# KiCad board RP2040-Breadstick.kicad_pcb (continued)
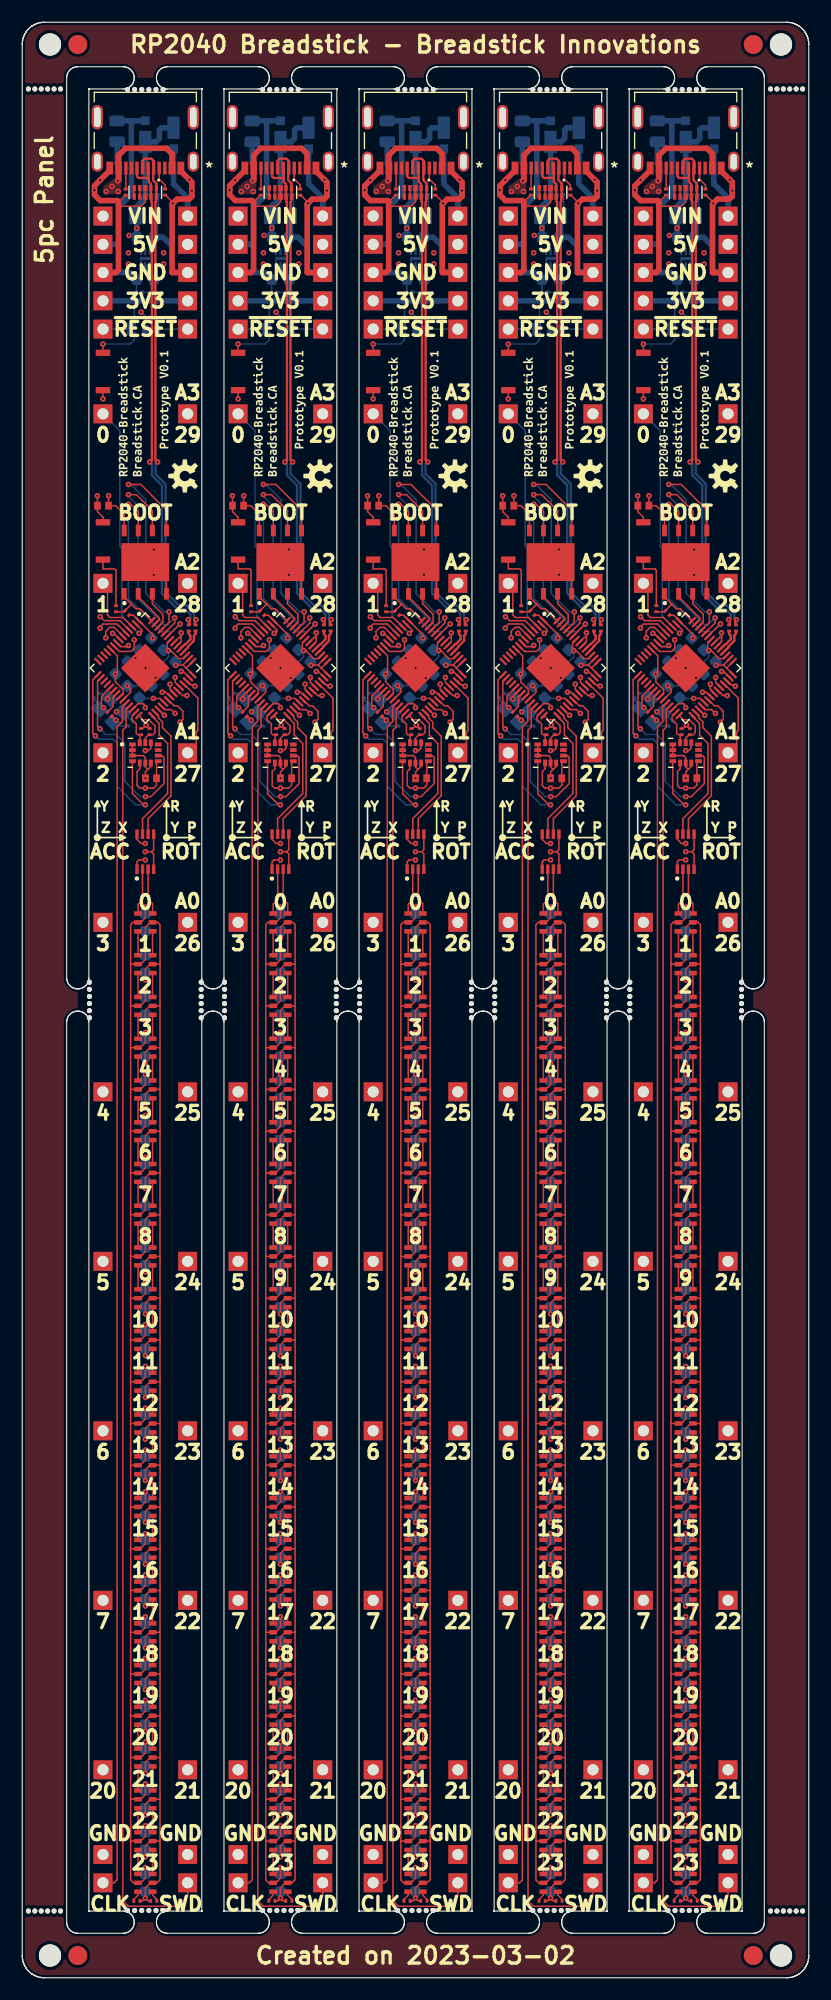
[diagram p0: board, top side]
## Routing (per net, layer and track width the routed paths; a pad name or vN(x,y) marks a point on that pad's centre or on a via; arc(x,y) is an arc through that point) (continued)
  L8_SIG.Cu w0.203: v1(27.81,122.12) 27.62,122.31 27.62,122.73 26.98,123.37 26.29,123.37 25.05,124.61 25.05,134.33 24.15,135.23 24.15,136.1 v1(24.34,136.29)
Board_1-/RP2040/~{RESET}: length 49.9
  L1_SIG.Cu w0.127: U201#5.26 22.59,114.56 23.06,114.56 23.24,114.38 v1(23.24,114.2)
  L3_SIG.Cu w0.127: 22.61,148.24 22.61,121.77 23.29,121.09 23.29,118.52 23.87,117.94 23.87,117.49 23.47,117.09 23.47,114.43 v1(23.24,114.2)
  L3_SIG.Cu w0.5: J201#3.1 J222#4.1
  L8_SIG.Cu w0.127: C207#2.1 J201#3.1 ; 21.69,148.22 21.67,148.24 J222#4.1 ; 21.69,148.22 R211#2.2 ; 21.69,148.22 R208#2.2
Board_1-GND: length 241.1
  L1_SIG.Cu w0.127: 23.8,101.25 23.99,101.44 IC301#3.5 ; 23.8,101.25 v1(23.24,101.25) ; 23.8,101.25 23.99,101.06 IC301#3.4 ; U202#2.3 U202#2.8 23.24,159.67 22.86,159.29 20.83,159.29 ; 24.56,12.3 24.55,12.29 LED323#4.2 23.69,12.29 23.24,11.84 v1(23.24,10.88) ; 24.56,12.3 24.56,8.82 24.28,8.54 LED324#4.2 23.69,8.54 23.24,8.08 v1(23.24,7.17) ; 24.56,12.3 24.56,16.06 ; v1(23.24,7.17) 22.99,6.91 R304.2 ; v1(23.24,7.17) 23.49,6.91 23.73,6.91 ; 24.56,38.61 24.56,34.8 ; 24.56,38.61 24.52,38.57 LED316.2 23.66,38.57 23.24,38.16 v1(23.24,37.19) ; 24.56,38.61 24.56,42.37 ; 24.56,34.8 24.56,31.1 ; 24.56,34.8 24.55,34.82 LED317#3.2 23.66,34.82 23.24,34.4 v1(23.24,33.43) ; 23.49,108.67 23.44,108.67 23.24,108.87 U401#5.6 23.24,109.71 23.06,109.89 U401#5.3 U401#5.2 U401#5.1 ; 23.49,108.67 23.25,108.42 v1(23.25,107.86) C401#2.2 ; 23.49,108.67 23.74,108.91 U401#5.7 ; 24.56,49.79 24.56,46.08 ; 24.56,49.79 24.56,53.6 ; 24.56,49.79 24.51,49.84 LED313.2 23.69,49.84 23.24,49.38 v1(23.24,48.42) ; 24.56,46.08 LED314#3.2 23.65,46.08 23.24,45.67 v1(23.24,44.71) ; 24.56,46.08 24.56,42.37 ; v1(25.72,159.55) 25.72,159.63 25.06,160.28 R207.2 ; 24.56,27.34 24.56,23.58 ; 24.56,27.34 24.56,31.1 ; 24.56,27.34 24.53,27.31 LED319#3.2 23.67,27.31 23.24,26.88 v1(23.24,25.91) ; 24.56,23.58 24.54,23.55 LED320#3.2 23.67,23.55 23.24,23.12 v1(23.24,22.15) ; 24.56,23.58 24.56,19.77 ; U203.4 25.14,127.29 v1(24,128.43) ; 24.56,16.06 24.55,16.04 LED322#5.2 23.68,16.04 23.24,15.6 v1(23.24,14.64) ; 24.56,16.06 24.56,19.77 ; v1(24,126.14) 24,126.52 U203.9 ; v1(23.24,89.72) 23.24,90.68 23.7,91.14 LED302#5.2 24.56,91.14 ; v1(23.24,78.49) 23.24,79.46 23.66,79.88 LED305#4.2 24.55,79.88 24.56,79.86 ; v1(23.24,59.7) 23.24,60.66 23.68,61.1 LED310#4.2 24.54,61.1 24.56,61.12 ; 24.56,53.6 24.55,53.59 LED312#2.2 23.69,53.59 23.24,53.14 v1(23.24,52.18) ; 24.56,53.6 24.56,57.36 ; 24.56,87.38 24.56,83.62 ; 24.56,87.38 24.56,91.14 ; 24.56,87.38 24.56,87.39 LED303#3.2 23.65,87.39 23.24,86.98 v1(23.24,86.01) ; 24.56,83.62 24.55,83.63 LED304#5.2 23.65,83.63 23.24,83.22 v1(23.24,82.25) ; 24.56,83.62 24.56,79.86 ; 24.56,91.14 24.56,94.7 24.36,94.9 LED301#5.2 23.69,94.9 23.24,94.44 v1(23.24,93.53) ; 24.56,76.1 24.54,76.12 LED306.2 23.66,76.12 23.24,75.7 v1(23.24,74.73) ; 24.56,76.1 24.56,79.86 ; 24.56,76.1 24.56,72.34 ; 24.56,64.83 24.56,61.12 ; 24.56,64.83 24.53,64.86 LED309#4.2 23.68,64.86 23.24,64.42 v1(23.24,63.45) ; 24.56,64.83 24.56,68.59 ; 24.56,61.12 24.56,57.36 ; 24.56,68.59 24.53,68.61 LED308#3.2 23.67,68.61 23.24,68.18 v1(23.24,67.21) ; 24.56,68.59 24.56,72.34 ; 24.56,19.77 24.53,19.8 LED321#4.2 23.68,19.8 23.24,19.36 v1(23.24,18.4) ; 24.56,31.1 24.53,31.06 LED318#3.2 23.67,31.06 23.24,30.64 v1(23.24,29.67) ; 24.56,42.37 24.52,42.33 LED315.2 23.65,42.33 23.24,41.92 v1(23.24,40.95) ; v1(19.48,114.2) 19.3,114.38 19.3,115.24 U201#5.19 ; v1(23.24,70.97) 23.24,71.94 23.67,72.37 LED307#4.2 24.54,72.37 24.56,72.34 ; 24.56,57.36 24.55,57.35 LED311#5.2 23.69,57.35 23.24,56.9 v1(23.24,55.94) ; R206#3.2 21.44,160.28 20.84,159.68 20.81,159.68 ; v1(18.92,133.25) 18.93,133.25 C216.2 18.93,131.82 19.43,131.32 SW201.1 ; SW202#3.1 v1(19.43,141.97)
  L1_SIG.Cu w0.5: J221#2.A1/B12 26.44,162.44 v1(27.2,161.68) 27.43,161.45 v1(27.43,160.69) 27.43,160.18 27.18,159.92 26.1,159.92 v1(25.72,159.55) 25.65,159.48 25.65,153.32 J506#3.1 ; J505#4.1 20.57,153.32 20.83,153.57 20.83,159.67 20.7,159.8 19.18,159.8 18.67,160.31 v1(18.67,160.74) 18.67,161.13 v1(19.17,161.63) 20.04,162.5 J221#2.B1/A12
  L3_SIG.Cu w0.5: J505#4.1 J506#3.1
  L8_SIG.Cu w0.127: v1(23.24,82.25) C306#4.2 ; v1(23.24,22.15) C322#3.2 ; v1(23.24,40.95) C317#4.2 ; U501#3.7 22.91,154.59 22.84,154.52 U501#3.3 ; v1(22.86,149.76) 23.25,149.38 C207#2.2 ; C309#2.2 23.24,71.58 v1(23.24,70.97) ; v1(23.24,86.01) C305#2.2 ; v1(23.24,18.4) C323#2.2 ; C201#2.2 18.65,114.88 19.13,114.41 ; v1(23.24,93.53) 23.24,94.13 ; C501.2 24.4,158.66 R501#4.1 ; v1(23.24,10.88) C325#3.2 ; v1(23.24,67.21) C310#3.2 ; v1(23.24,89.72) C304#5.2 ; v1(23.24,52.18) C314#4.2 ; v1(23.24,78.49) C307#3.2 ; C203#3.2 22.08,112.95 21.25,113.78 Y201.2 ; R502#4.1 22.46,152.68 C503#3.2 ; v1(23.24,74.73) 23.24,75.34 C308#3.2 ; v1(23.24,14.64) C324#3.2 ; v1(23.24,63.45) C311#4.2 ; v1(23.24,44.71) C316#4.2 ; v1(23.24,29.67) C320#5.2 ; v1(23.24,55.94) C313#5.2 ; v1(23.24,33.43) C319#2.2 ; v1(23.24,37.19) C318#4.2 ; v1(23.24,7.17) C326#4.2 ; v1(23.24,59.7) C312#4.2 ; v1(23.24,48.42) C315.2 ; v1(23.24,25.91) C321#5.2
  L8_SIG.Cu w0.203: C503#3.2 22.84,153.06 U501#3.3
  L8_SIG.Cu w0.5: C503#3.2 22.45,152.69 21.82,153.32 J505#4.1 ; C501.2 24.14,156.62 C502#5.2 24.84,156.5 25.65,155.68 25.65,153.62 25.96,153.32 J506#3.1
  vias: v1(20.64,113.83) v1(22.36,118.66) v1(23.25,117.77) v1(24.17,116.87)
Board_1-IMU_INT1: length 19.6
  L1_SIG.Cu w0.127: v1(23.24,105.47) 23.08,105.47 22.08,106.47 U401#5.4 ; v1(18.75,111.66) 18.51,111.9 18.51,116.71 U201#5.15
  L8_SIG.Cu w0.127: v1(18.75,111.66) 19.05,111.36 20.32,111.36 20.72,110.96 20.72,107.11 22.36,105.47 v1(23.24,105.47)
Board_1-IMU_INT2: length 18.5
  L1_SIG.Cu w0.127: U401#5.9 24.75,109.89 24.92,109.72 24.92,107.37 23.75,106.2 v1(23.25,106.2) ; U201#5.16 18.94,116.57 18.94,112.51 v1(19.15,112.3)
  L8_SIG.Cu w0.127: v1(23.25,106.2) 22.76,106.2 21.4,107.56 21.4,111.01 20.62,111.79 19.66,111.79 v1(19.15,112.3)
Board_1-IMU_SCL: length 3.9
  L1_SIG.Cu w0.127: U201#5.28 23.02,113.12 23.55,113.12 24.1,112.56 24.1,111.97 23.9,111.77 R210.1 23.55,111.77 23.24,111.46 U401#5.13
Board_1-IMU_SDA: length 3.4
  L1_SIG.Cu w0.127: U201#5.27 22.02,113.43 22.02,113.14 22.43,112.73 22.43,111.89 22.55,111.77 R209#2.1 22.75,111.66 22.75,111.06 U401#5.14
Board_1-LED_CLK: length 12.2
  L1_SIG.Cu w0.127: IC301#3.7 22.99,104.23 25.25,106.48 25.25,110.98 24.48,111.74 24.48,112.78 23.83,113.44 U201#5.29
Board_1-LED_DATA: length 12.4
  L1_SIG.Cu w0.127: IC301#3.6 23.49,104.22 25.55,106.28 25.55,111.64 24.79,112.4 24.79,112.91 24.43,113.26 24.43,113.45 U201#5.30
Board_1-Net-(C201-Pad1): length 2
  L1_SIG.Cu w0.127: U201#5.20 19.84,115.2 v1(19.84,114.99)
  L8_SIG.Cu w0.127: v1(19.84,114.99) 19.34,115.49 C201#2.1
Board_1-Net-(C203-Pad1): length 2.1
  L1_SIG.Cu w0.127: R201#3.1 20.55,113.08 v1(20.61,113.08)
  L8_SIG.Cu w0.127: C203#3.1 20.61,112.56 Y201.3
Board_1-Net-(J221-PadA5): length 2.1
  L1_SIG.Cu w0.127: R207.1 25.02,161.19 24.49,161.72 J221#2.A5
Board_1-Net-(J221-PadB5): length 1.9
  L1_SIG.Cu w0.127: J221#2.B5 21.49,160.86 R206#3.1
Board_1-Net-(LED301-Pad1): length 2.2
  L1_SIG.Cu w0.127: LED301#5.1 LED302#5.3
Board_1-Net-(LED301-Pad6): length 2.2
  L1_SIG.Cu w0.127: LED301#5.6 LED302#5.4
Board_1-Net-(LED302-Pad1): length 2.2
  L1_SIG.Cu w0.127: LED302#5.1 LED303#3.3
Board_1-Net-(LED302-Pad6): length 2.2
  L1_SIG.Cu w0.127: LED302#5.6 LED303#3.4
Board_1-Net-(LED303-Pad1): length 2.2
  L1_SIG.Cu w0.127: LED303#3.1 LED304#5.3
Board_1-Net-(LED303-Pad6): length 2.2
  L1_SIG.Cu w0.127: LED303#3.6 LED304#5.4
Board_1-Net-(LED304-Pad1): length 2.2
  L1_SIG.Cu w0.127: LED304#5.1 LED305#4.3
Board_1-Net-(LED304-Pad6): length 2.2
  L1_SIG.Cu w0.127: LED304#5.6 LED305#4.4
Board_1-Net-(LED305-Pad1): length 2.2
  L1_SIG.Cu w0.127: LED305#4.1 LED306.3
Board_1-Net-(LED305-Pad6): length 2.2
  L1_SIG.Cu w0.127: LED305#4.6 LED306.4
Board_1-Net-(LED306-Pad1): length 2.2
  L1_SIG.Cu w0.127: LED306.1 LED307#4.3
Board_1-Net-(LED306-Pad6): length 2.2
  L1_SIG.Cu w0.127: LED306.6 LED307#4.4
Board_1-Net-(LED307-Pad1): length 2.2
  L1_SIG.Cu w0.127: LED307#4.1 LED308#3.3
Board_1-Net-(LED307-Pad6): length 2.2
  L1_SIG.Cu w0.127: LED307#4.6 LED308#3.4
Board_1-Net-(LED308-Pad1): length 2.2
  L1_SIG.Cu w0.127: LED308#3.1 LED309#4.3
Board_1-Net-(LED308-Pad6): length 2.2
  L1_SIG.Cu w0.127: LED308#3.6 LED309#4.4
Board_1-Net-(LED309-Pad1): length 2.2
  L1_SIG.Cu w0.127: LED309#4.1 LED310#4.3
Board_1-Net-(LED309-Pad6): length 2.2
  L1_SIG.Cu w0.127: LED309#4.6 LED310#4.4
Board_1-Net-(LED310-Pad1): length 2.2
  L1_SIG.Cu w0.127: LED310#4.1 LED311#5.3
Board_1-Net-(LED310-Pad6): length 2.2
  L1_SIG.Cu w0.127: LED310#4.6 LED311#5.4
Board_1-Net-(LED311-Pad1): length 2.2
  L1_SIG.Cu w0.127: LED311#5.1 LED312#2.3
Board_1-Net-(LED311-Pad6): length 2.2
  L1_SIG.Cu w0.127: LED311#5.6 LED312#2.4
Board_1-Net-(LED312-Pad1): length 2.2
  L1_SIG.Cu w0.127: LED312#2.1 LED313.3
Board_1-Net-(LED312-Pad6): length 2.2
  L1_SIG.Cu w0.127: LED312#2.6 LED313.4
Board_1-Net-(LED313-Pad1): length 2.2
  L1_SIG.Cu w0.127: LED313.1 LED314#3.3
Board_1-Net-(LED313-Pad6): length 2.2
  L1_SIG.Cu w0.127: LED313.6 LED314#3.4
Board_1-Net-(LED314-Pad1): length 2.2
  L1_SIG.Cu w0.127: LED314#3.1 LED315.3
Board_1-Net-(LED314-Pad6): length 2.2
  L1_SIG.Cu w0.127: LED314#3.6 LED315.4
Board_1-Net-(LED315-Pad1): length 2.2
  L1_SIG.Cu w0.127: LED315.1 LED316.3
Board_1-Net-(LED315-Pad6): length 2.2
  L1_SIG.Cu w0.127: LED315.6 LED316.4
Board_1-Net-(LED316-Pad1): length 2.2
  L1_SIG.Cu w0.127: LED316.1 LED317#3.3
Board_1-Net-(LED316-Pad6): length 2.2
  L1_SIG.Cu w0.127: LED316.6 LED317#3.4
Board_1-Net-(LED317-Pad1): length 2.2
  L1_SIG.Cu w0.127: LED317#3.1 LED318#3.3
Board_1-Net-(LED317-Pad6): length 2.2
  L1_SIG.Cu w0.127: LED317#3.6 LED318#3.4
Board_1-Net-(LED318-Pad1): length 2.2
  L1_SIG.Cu w0.127: LED318#3.1 LED319#3.3
Board_1-Net-(LED318-Pad6): length 2.2
  L1_SIG.Cu w0.127: LED318#3.6 LED319#3.4
Board_1-Net-(LED319-Pad1): length 2.2
  L1_SIG.Cu w0.127: LED319#3.1 LED320#3.3
Board_1-Net-(LED319-Pad6): length 2.2
  L1_SIG.Cu w0.127: LED319#3.6 LED320#3.4
Board_1-Net-(LED320-Pad1): length 2.2
  L1_SIG.Cu w0.127: LED320#3.1 LED321#4.3
Board_1-Net-(LED320-Pad6): length 2.2
  L1_SIG.Cu w0.127: LED320#3.6 LED321#4.4
Board_1-Net-(LED321-Pad1): length 2.2
  L1_SIG.Cu w0.127: LED321#4.1 LED322#5.3
Board_1-Net-(LED321-Pad6): length 2.2
  L1_SIG.Cu w0.127: LED321#4.6 LED322#5.4
Board_1-Net-(LED322-Pad1): length 2.2
  L1_SIG.Cu w0.127: LED322#5.1 LED323#4.3
Board_1-Net-(LED322-Pad6): length 2.2
  L1_SIG.Cu w0.127: LED322#5.6 LED323#4.4
Board_1-Net-(LED323-Pad1): length 2.2
  L1_SIG.Cu w0.127: LED323#4.1 LED324#4.3
Board_1-Net-(LED323-Pad6): length 2.2
  L1_SIG.Cu w0.127: LED323#4.6 LED324#4.4
Board_1-Net-(LED324-Pad1): length 1
  L1_SIG.Cu w0.127: R305#3.1 24.28,7.05 23.89,7.43 LED324#4.1
Board_1-Net-(LED324-Pad6): length 1
  L1_SIG.Cu w0.127: LED324#4.6 22.59,7.43 22.2,7.05 22.2,6.91
Board_1-Net-(R201-Pad2): length 2
  L1_SIG.Cu w0.127: U201#5.21 20.34,115.15 20.34,114.32 R201#3.2
Board_1-Net-(R204-Pad1): length 5.2
  L1_SIG.Cu w0.127: R204.1 20.6,126.55 20.47,126.68 19.43,126.68 SW201.2
Board_1-Net-(R211-Pad1): length 4.3
  L1_SIG.Cu w0.127: SW202#3.2 v1(19.43,146.89)
  L8_SIG.Cu w0.127: 22.24,147.86 22.24,147.27 21.87,146.89 v1(19.43,146.89)
Board_1-Net-(U202-Pad4): length 0.8
  L1_SIG.Cu w0.127: U202#2.4 U202#2.7
Board_1-Net-(U202-Pad5): length 0.8
  L1_SIG.Cu w0.127: U202#2.5 U202#2.6
Board_1-SWCLK: length 107.5
  L1_SIG.Cu w0.127: U201#5.24 21.18,114.29 21.18,112.95 20.7,112.46 20.7,8.79 20.45,8.54 J223#2.1
Board_1-SWD: length 115.3
  L1_SIG.Cu w0.127: J224.1 27.05,7.37 26.11,6.43 21.69,6.43 21.21,6.91 21.21,112.17 21.5,112.46 21.5,114.04 U201#5.25
Board_1-VBUS: length 12.5
  L1_SIG.Cu w0.5: J221#2.A4/B9 25.64,164 25.14,164.5 21.46,164.5 20.84,163.87 J221#2.B4/A9 20.84,161.66 v1(20.75,161.58)
  L8_SIG.Cu w0.5: v1(20.75,161.58) 20.83,161.65 20.83,163 20.7,163.12 F501#3.1
  vias: v1(19.71,160.61) v1(20.24,161.07) v1(20.8,160.61)
Board_1-VHI: length 174.3
  L1_SIG.Cu w0.127: 21.92,23.53 21.95,23.55 LED320#3.5 22.81,23.55 23.24,23.98 v1(23.24,24.95) ; 21.92,23.53 21.92,27.34 ; 21.92,23.53 21.92,19.77 ; v1(23.24,39.93) 23.24,39.02 22.79,38.57 LED316.5 21.96,38.57 21.92,38.61 ; v1(23.24,84.99) 23.24,84.08 22.79,83.63 LED304#5.5 21.93,83.63 21.92,83.62 ; 21.92,79.86 21.93,79.88 LED305#4.5 22.8,79.88 23.24,80.32 v1(23.24,81.23) ; 21.92,79.86 21.92,83.62 ; 21.92,79.86 21.92,76.1 ; 21.92,31.1 21.92,27.34 ; 21.92,31.1 21.95,31.06 LED318#3.5 22.8,31.06 23.24,31.5 v1(23.24,32.47) ; 21.92,31.1 21.92,34.8 ; 21.92,27.34 21.95,27.31 LED319#3.5 22.81,27.31 23.24,27.74 v1(23.24,28.71) ; v1(23.24,43.69) 23.24,42.78 22.79,42.33 LED315.5 21.96,42.33 21.92,42.37 ; 21.92,19.77 21.92,16.06 ; 21.92,19.77 21.95,19.8 LED321#4.5 22.82,19.8 23.24,20.22 v1(23.24,21.19) ; 21.92,16.06 21.93,16.04 LED322#5.5 22.82,16.04 23.24,16.46 v1(23.24,17.43) ; 21.92,16.06 21.92,12.3 ; 21.92,38.61 21.92,42.37 ; 21.92,38.61 21.92,34.8 ; 21.92,83.62 21.92,87.38 ; v1(23.24,62.49) 23.24,61.52 22.82,61.1 LED310#4.5 21.95,61.1 21.92,61.07 ; 21.92,91.14 21.92,87.38 ; 21.92,91.14 21.92,94.7 22.12,94.9 LED301#5.5 22.83,94.9 23.24,95.31 v1(23.24,96.27) ; 21.92,91.14 LED302#5.5 22.83,91.14 23.24,91.55 v1(23.24,92.51) ; 21.92,87.38 21.92,87.39 LED303#3.5 22.79,87.39 23.24,87.84 v1(23.24,88.75) ; 21.92,61.07 21.92,57.36 ; 21.92,61.07 21.92,64.88 ; 21.92,57.36 21.92,53.55 ; 21.92,57.36 21.93,57.35 LED311#5.5 22.82,57.35 23.24,57.77 v1(23.24,58.73) ; 21.92,68.64 21.94,68.61 LED308#3.5 22.81,68.61 23.24,69.04 v1(23.24,70.01) ; 21.92,68.64 21.92,72.34 ; 21.92,68.64 21.92,64.88 ; 21.92,12.3 21.92,8.79 22.18,8.54 LED324#4.5 22.83,8.54 23.24,8.95 v1(23.24,9.91) ; 21.92,12.3 21.93,12.29 LED323#4.5 22.82,12.29 23.24,12.71 v1(23.24,13.67) ; v1(23.24,100.51) 22.66,100.51 22.49,100.35 IC301#3.1 ; 21.92,53.55 21.96,53.59 LED312#2.5 22.83,53.59 23.24,54.01 v1(23.24,54.97) ; 21.92,53.55 21.92,49.84 ; 21.92,42.37 21.92,46.08 ; v1(23.24,66.25) 23.24,65.28 22.81,64.86 LED309#4.5 21.94,64.86 21.92,64.88 ; 21.92,46.08 LED314#3.5 22.78,46.08 23.24,46.54 v1(23.24,47.45) ; 21.92,46.08 21.92,49.84 ; v1(23.24,73.77) 23.24,72.8 22.8,72.37 LED307#4.5 21.94,72.37 21.92,72.34 ; 21.92,72.34 21.92,76.1 ; v1(23.24,77.53) 23.24,76.56 22.8,76.12 LED306.5 21.94,76.12 21.92,76.1 ; 21.92,49.84 21.92,49.84 LED313.5 22.83,49.84 23.24,50.25 v1(23.24,51.21) ; 21.92,34.8 21.93,34.82 LED317#3.5 22.8,34.82 23.24,35.26 v1(23.24,36.23)
  L8_SIG.Cu w0.127: v1(23.24,28.71) C321#5.1 ; v1(23.24,77.53) 23.24,76.92 C308#3.1 ; v1(23.24,88.75) C305#2.1 ; v1(23.24,54.97) C314#4.1 ; v1(23.24,9.91) C326#4.1 ; v1(23.24,70.01) C310#3.1 ; C309#2.1 23.24,73.16 v1(23.24,73.77) ; v1(23.24,32.47) C320#5.1 ; v1(23.24,62.49) C312#4.1 ; v1(23.24,58.73) C313#5.1 ; v1(23.24,96.27) C303#5.1 ; v1(23.24,84.99) C306#4.1 ; v1(23.24,17.43) C324#3.1 ; v1(23.24,21.19) C323#2.1 ; v1(23.24,51.21) C315.1 ; R501#4.2 23.37,160.31 23.24,160.43 ; v1(23.24,13.67) C325#3.1 ; v1(23.24,66.25) C311#4.1 ; v1(23.24,36.23) C319#2.1 ; v1(23.24,47.45) C316#4.1 ; v1(23.24,81.23) C307#3.1 ; v1(23.24,39.93) C318#4.1 ; v1(23.24,92.51) C304#5.1 ; v1(23.24,24.95) C322#3.1 ; v1(23.24,43.69) C317#4.1
  L8_SIG.Cu w0.5: D501#4.1 24.7,166.34 24.51,166.15 24.51,165.39 24.19,165.07 D502#5.1 23.24,160.05 22.34,159.15 C501.1 22.47,158.28 v1(22.47,157.31) C502#5.1
  vias: v1(21.72,155.1) v1(21.72,154.08) v1(21.77,156.66) v1(24.89,155.1) v1(24.89,154.08)
Board_1-VIN: length 14.2
  L3_SIG.Cu w0.5: J502#2.1 J501.1
  L8_SIG.Cu w0.5: J501.1 27.05,160.03 25.78,161.3 D501#4.2
Board_2-3V3_LDO: length 53.3
  L1_SIG.Cu w0.127: U401#4.8 36.41,109.24 C401#4.1 36.41,107.24 36.14,106.97 v1(35.4,106.97) 34.89,106.97 34.66,107.19 34.66,108.46 34.9,108.7 U401#4.5 ; 38.63,120.53 38.45,120.53 U201#2.49 ; 38.63,120.53 38.63,120.14 U201#2.48 ; 38.63,120.53 v1(38.63,120.94) ; U401#4.12 35.9,110.56 35.68,110.34 v1(35.4,110.34) ; R205.1 34.32,122.52 U201#2.1 36.06,120.78 v1(36.06,120.45) ; 39.08,117.76 38.82,118.01 38.77,118.01 ; 39.08,117.76 39.08,117.76 U201#2.43 ; 39.08,117.76 U201#2.42 ; U203#4.8 33.49,131.6 32.73,132.37 C216#3.1 32.09,133.25 v1(32.1,133.25) ; U201#2.10 32.89,118.86 32.89,117.4 v1(32.71,117.23) 32.71,116.52 33.41,115.82 33.41,115.49 U201#2.22 ; R210#3.2 35.78,112.33 v1(35.47,112.64) 35.15,112.32 R209#3.2 ; v1(35.4,101.99) 35.02,101.99 34.65,102.36 IC301#2.8 ; v1(36.12,115.03) 36.72,115.03 U201#2.33 ; 38.77,118.01 U201#2.44 ; 38.77,118.01 v1(38.14,118.01)
  L3_SIG.Cu w0.5: J508#5.1 J507#2.1
  L8_SIG.Cu w0.127: v1(32.71,117.23) 32.72,117.24 C210#4.1 ; v1(36.12,115.03) 34.92,115.03 C206#4.1 ; 34.38,150.78 34.41,150.76 R208.1 ; C211.1 38.14,118.28 v1(38.14,118.01) ; R502#5.2 36.16,151.54
  L8_SIG.Cu w0.15: 35.8,153.33 36.17,152.95 C503#5.1
  L8_SIG.Cu w0.203: U501#2.2 35.4,153.47 35.55,153.33 35.8,153.33 U501#2.1
  L8_SIG.Cu w0.5: 36.06,150.78 J507#2.1 ; 36.06,150.78 J508#5.1 ; 36.06,150.78 36.19,150.91 36.19,152.67
Board_2-+1V1: length 10.2
  L1_SIG.Cu w0.127: U201#2.23 34.08,115.59 34.08,115.88 v1(33.78,116.18) ; U201#2.45 38.8,118.61 38.41,118.61 37.69,119.33 v1(37.48,119.33) 37.38,119.44 37.38,120.02 U201#2.50
  L8_SIG.Cu w0.127: v1(37.48,119.33) 37.48,118.76 34.9,116.18 v1(33.78,116.18)
Board_2-/Addressable RGB LEDs/CLK: length 4.1
  L1_SIG.Cu w0.127: IC301#2.2 35.15,96.94 34.75,96.54 LED301#4.4
Board_2-/Addressable RGB LEDs/DATA: length 4.1
  L1_SIG.Cu w0.127: IC301#2.3 35.65,96.99 36.05,96.59 LED301#4.3
Board_2-/RP2040/ADC0: length 26.2
  L1_SIG.Cu w0.127: U201#2.38 38.09,116.48 v1(38.09,116.92)
  L3_SIG.Cu w0.127: J220#3.1 39.21,107.85 38.09,108.97 38.09,111.27 39.68,111.27 40.12,111.71 40.12,115.02 38.22,116.92 v1(38.09,116.92)
Board_2-/RP2040/ADC1: length 7.1
  L1_SIG.Cu w0.127: J219#4.1 39.99,110.92 39.99,112.01 40.12,112.15 40.12,115.07 38.87,116.32 U201#2.39
Board_2-/RP2040/ADC2: length 12.9
  L1_SIG.Cu w0.127: U201#2.40 39.16,116.6 39.51,116.25 39.62,116.25 39.74,116.13 v1(39.87,116.13)
  L3_SIG.Cu w0.127: v1(39.87,116.13) 39.87,118.91 37,121.78 37,124.11 38.27,125.38 J218.1
Board_2-/RP2040/ADC3: length 26.9
  L1_SIG.Cu w0.127: U201#2.41 38.82,117.46 v1(38.63,117.46)
  L3_SIG.Cu w0.127: v1(38.63,117.46) 38.98,117.81 38.98,118.62 35.98,121.62 35.98,124.45 37.51,125.98 37.51,128.07 39.21,129.77 J217#5.1
Board_2-/RP2040/D0: length 22.3
  L1_SIG.Cu w0.127: v1(34.84,120.88) 34.92,120.88 35.1,121.06 35.1,121.18 U201#2.2
  L8_SIG.Cu w0.127: v1(34.84,120.88) 33.29,122.43 33.29,128.53 33.11,128.71 33.11,139.1 J205.1
Board_2-/RP2040/D1: length 5.7
  L1_SIG.Cu w0.127: J206#2.1 32,124.97 32,122.54 32.22,122.31 33.4,122.31 U201#2.3
Board_2-/RP2040/D2: length 16.5
  L1_SIG.Cu w0.127: U201#2.4 33.11,122.03 31.69,122.03 v1(31.34,122.38)
  L3_SIG.Cu w0.127: v1(31.34,122.38) 30.7,121.74 30.7,113.26 31.03,112.93 31.46,112.93 31.86,112.53 31.86,111.43 31.59,111.16 J207#4.1
Board_2-/RP2040/D3: length 30.6
  L1_SIG.Cu w0.127: v1(31.33,121.35) 31.33,121.46 31.59,121.72 32.85,121.72 U201#2.5
  L3_SIG.Cu w0.127: v1(31.33,121.35) 31.31,121.33 31.31,114.94 31.13,114.76 31.13,114.03 32.72,112.44 32.72,108.93 31.59,107.8 J208#3.1
Board_2-/RP2040/D4: length 44.8
  L1_SIG.Cu w0.127: U201#2.6 32.59,121.42 32.2,121.42 31.84,121.06 v1(31.84,120.48)
  L3_SIG.Cu w0.127: J209#5.1 31.59,92.33 32.72,93.46 32.72,108.2 33.18,108.66 33.18,112.5 33.34,112.66 33.34,114.39 31.84,115.89 v1(31.84,120.48)
Board_2-/RP2040/D5: length 59
  L1_SIG.Cu w0.127: v1(32.45,120.88) 32.56,120.88 U201#2.7
  L3_SIG.Cu w0.127: v1(32.45,120.88) 32.45,117.89 32.2,117.63 32.2,116.98 33.71,115.47 33.71,112.25 33.64,112.18 33.64,108.31 33.31,107.98 33.31,92.85 32.73,92.27 32.73,78.22 31.59,77.08 J210#5.1
Board_2-/RP2040/D6: length 73.9
  L1_SIG.Cu w0.127: v1(33.88,119.79) 33.77,119.69 33.19,119.69 U201#2.8
  L3_SIG.Cu w0.127: v1(33.88,119.79) 33.52,119.79 33.24,119.51 33.24,117.72 34.3,116.66 34.3,114.03 34.11,113.84 34.11,112.07 34.05,112.01 34.05,108.08 33.9,107.93 33.9,92.21 33.38,91.69 33.38,63.31 31.59,61.52 J211#3.1
Board_2-/RP2040/D7: length 91.4
  L1_SIG.Cu w0.127: v1(34.41,120.3) 34.41,119.54 34.13,119.26 33.05,119.26 U201#2.9
  L3_SIG.Cu w0.127: v1(34.41,120.3) 34.41,119.33 34.01,118.93 34.01,118.17 35.07,117.11 35.07,114.79 34.73,114.45 34.73,113.42 34.5,113.19 34.5,107.8 34.38,107.68 34.38,91.44 34.14,91.2 34.14,62.09 32.92,60.87 32.92,44.1 31.59,42.77 J212#5.1
Board_2-/RP2040/D20: length 98.8
  L1_SIG.Cu w0.127: v1(37.11,113.52) 37.09,113.52 U201#2.31
  L3_SIG.Cu w0.127: v1(37.11,113.52) 35.59,113.52 34.91,112.84 34.91,61.15 34.17,60.41 34.17,32.49 31.59,29.91 J204#4.1
Board_2-/RP2040/D21: length 99.2
  L1_SIG.Cu w0.127: U201#2.32 37.15,114.03 37.74,114.03 38.07,113.69 v1(38.08,113.69)
  L3_SIG.Cu w0.127: v1(38.08,113.69) 37.88,113.49 37.88,113.17 37.71,113 36.91,113 35.91,112 35.91,61.15 36.66,60.4 36.66,32.39 39.21,29.84 J203#5.1
Board_2-/RP2040/D22: length 84.5
  L1_SIG.Cu w0.127: v1(38.52,112.89) 38.78,113.15 38.78,113.88 38.29,114.37 37.99,114.37 37.45,114.91 U201#2.34
  L3_SIG.Cu w0.127: v1(38.52,112.89) 38.24,112.61 37.17,112.61 36.38,111.82 36.38,107.82 36.46,107.74 36.46,91.48 36.69,91.25 36.69,62.28 37.91,61.06 37.91,44.18 39.15,42.94 39.15,34 J213.1
Board_2-/RP2040/D23: length 71.1
  L1_SIG.Cu w0.127: U201#2.35 37.63,115.19 37.23,115.59 v1(36.92,115.59)
  L3_SIG.Cu w0.127: v1(36.92,115.59) 37.24,115.59 39.04,113.79 39.04,112.48 38.8,112.24 37.38,112.24 36.84,111.7 36.84,108.08 36.98,107.94 36.98,92.01 37.43,91.56 37.43,63.31 39.21,61.53 J214#5.1
Board_2-/RP2040/D24: length 56.2
  L1_SIG.Cu w0.127: U201#2.36 37.97,115.52 37.62,115.87 v1(37.62,116.31)
  L3_SIG.Cu w0.127: v1(37.62,116.31) 37.62,115.87 39.41,114.08 39.41,112.19 39.13,111.92 37.58,111.92 37.26,111.6 37.26,108.31 37.52,108.05 37.52,92.71 38.08,92.15 38.08,78.12 39.21,76.99 J215.1
Board_2-/RP2040/D25: length 39.4
  L1_SIG.Cu w0.127: v1(39.14,115.29) 38.77,115.29 38.3,115.76 U201#2.37
  L3_SIG.Cu w0.127: v1(39.14,115.29) 39.76,114.67 39.76,111.95 39.44,111.63 37.86,111.63 37.67,111.44 37.67,108.69 38.09,108.27 38.09,93.35 39.21,92.23 J202#4.1
Board_2-/RP2040/MCU_QSPI_CSN: length 5.4
  L1_SIG.Cu w0.127: 34.12,123.54 34.56,123.09 34.92,123.09 U201#2.56 ; 34.12,123.54 34.12,123.47 R205.2 33.47,122.82 R204#3.2 ; 34.12,123.54 33.49,124.16 U203#4.1
Board_2-/RP2040/MCU_QSPI_SCLK: length 20.6
  L1_SIG.Cu w0.127: v1(38.04,122.28) 38.04,121.82 U201#2.52 ; U203#4.6 36.03,131.91 34.59,133.36 v1(33.88,133.36)
  L8_SIG.Cu w0.127: v1(38.04,122.28) 37.38,121.62 37.13,121.62 34.74,124.01 34.74,132.34 33.88,133.2 v1(33.88,133.36)
Board_2-/RP2040/MCU_QSPI_SD0: length 21.5
  L1_SIG.Cu w0.127: U203#4.5 37.3,131.96 34.99,134.27 v1(33.88,134.27) ; v1(37.53,122.81) 37.53,121.87 U201#2.53
  L8_SIG.Cu w0.127: v1(33.88,134.27) 34.08,134.27 35.45,132.9 35.45,124.47 37.1,122.81 v1(37.53,122.81)
Board_2-/RP2040/MCU_QSPI_SD1: length 3.6
  L1_SIG.Cu w0.127: U201#2.55 36.67,122.14 36.67,122.26 34.77,124.16 U203#4.2
Board_2-/RP2040/MCU_QSPI_SD2: length 3.5
  L1_SIG.Cu w0.127: U203#4.3 36.03,123.55 36.98,122.6 36.98,121.89 U201#2.54
Board_2-/RP2040/MCU_QSPI_SD3: length 19.1
  L1_SIG.Cu w0.127: v1(33.88,132.49) 34.08,132.49 34.77,131.81 U203#4.7 ; v1(38.52,121.72) 38.51,121.72 U201#2.51
  L8_SIG.Cu w0.127: v1(38.52,121.72) 37.84,121.04 36.85,121.04 33.88,124.01 v1(33.88,132.49)
Board_2-/RP2040/MCU_USB_D+: length 2.1
  L1_SIG.Cu w0.2: U201#2.47 38.96,119.91 39.02,119.91
  L1_SIG.Cu w0.203: 39.02,119.91 39.46,120.35 39.46,120.68 39.31,120.83 R203.1
Board_2-/RP2040/MCU_USB_D-: length 2.3
  L1_SIG.Cu w0.2: U201#2.46 39.25,119.63 39.25,119.68
  L1_SIG.Cu w0.203: 39.25,119.68 39.78,120.21 39.78,120.68 39.92,120.83 R202#3.1
Board_2-/RP2040/USB_D+: length 45.2
  L1_SIG.Cu w0.203: 35.7,161.77 35.64,161.83 34.8,161.83 34.65,161.98 J221#3.B6 ; 35.7,161.77 35.7,162.67 J221#3.A6 ; 35.7,161.77 35.7,161.49 35.9,161.29 U202.2 U202.9 35.94,160.11 35.94,159.7 35.99,159.64 35.99,136.48 v1(35.8,136.29) ; R203.2 39.38,121.71 39.38,122 v1(39.27,122.12)
  L8_SIG.Cu w0.203: v1(39.27,122.12) 39.46,122.31 39.46,122.6 39,123.05 38.31,123.05 36.89,124.47 36.89,134.19 35.99,135.09 35.99,136.1 v1(35.8,136.29)
Board_2-/RP2040/USB_D-: length 45.9
  L1_SIG.Cu w0.203: v1(39.97,122.12) 39.85,122 39.85,121.71 R202#3.2 ; J221#3.A7 35.15,163.38 35.33,163.56 35.95,163.56 36.15,163.36 J221#3.B7 36.1,162.67 36.1,161.63 36.4,161.33 U202.1 U202.10 36.36,160.11 36.36,159.7 36.31,159.64 36.31,136.48 v1(36.5,136.29)
  L8_SIG.Cu w0.203: v1(39.97,122.12) 39.78,122.31 39.78,122.73 39.14,123.37 38.45,123.37 37.21,124.61 37.21,134.33 36.31,135.23 36.31,136.1 v1(36.5,136.29)
Board_2-/RP2040/~{RESET}: length 49.9
  L1_SIG.Cu w0.127: U201#2.26 34.75,114.56 35.22,114.56 35.4,114.38 v1(35.4,114.2)
  L3_SIG.Cu w0.127: 34.77,148.24 34.77,121.77 35.45,121.09 35.45,118.52 36.03,117.94 36.03,117.49 35.63,117.09 35.63,114.43 v1(35.4,114.2)
  L3_SIG.Cu w0.5: J201#4.1 J222.1
  L8_SIG.Cu w0.127: C207#5.1 J201#4.1 ; 33.86,148.22 33.83,148.24 J222.1 ; 33.86,148.22 33.86,147.86 ; 33.86,148.22 33.86,148.62
